# Altium PCB PCB_TEST.PcbDoc (part 1 of 6) (continued)
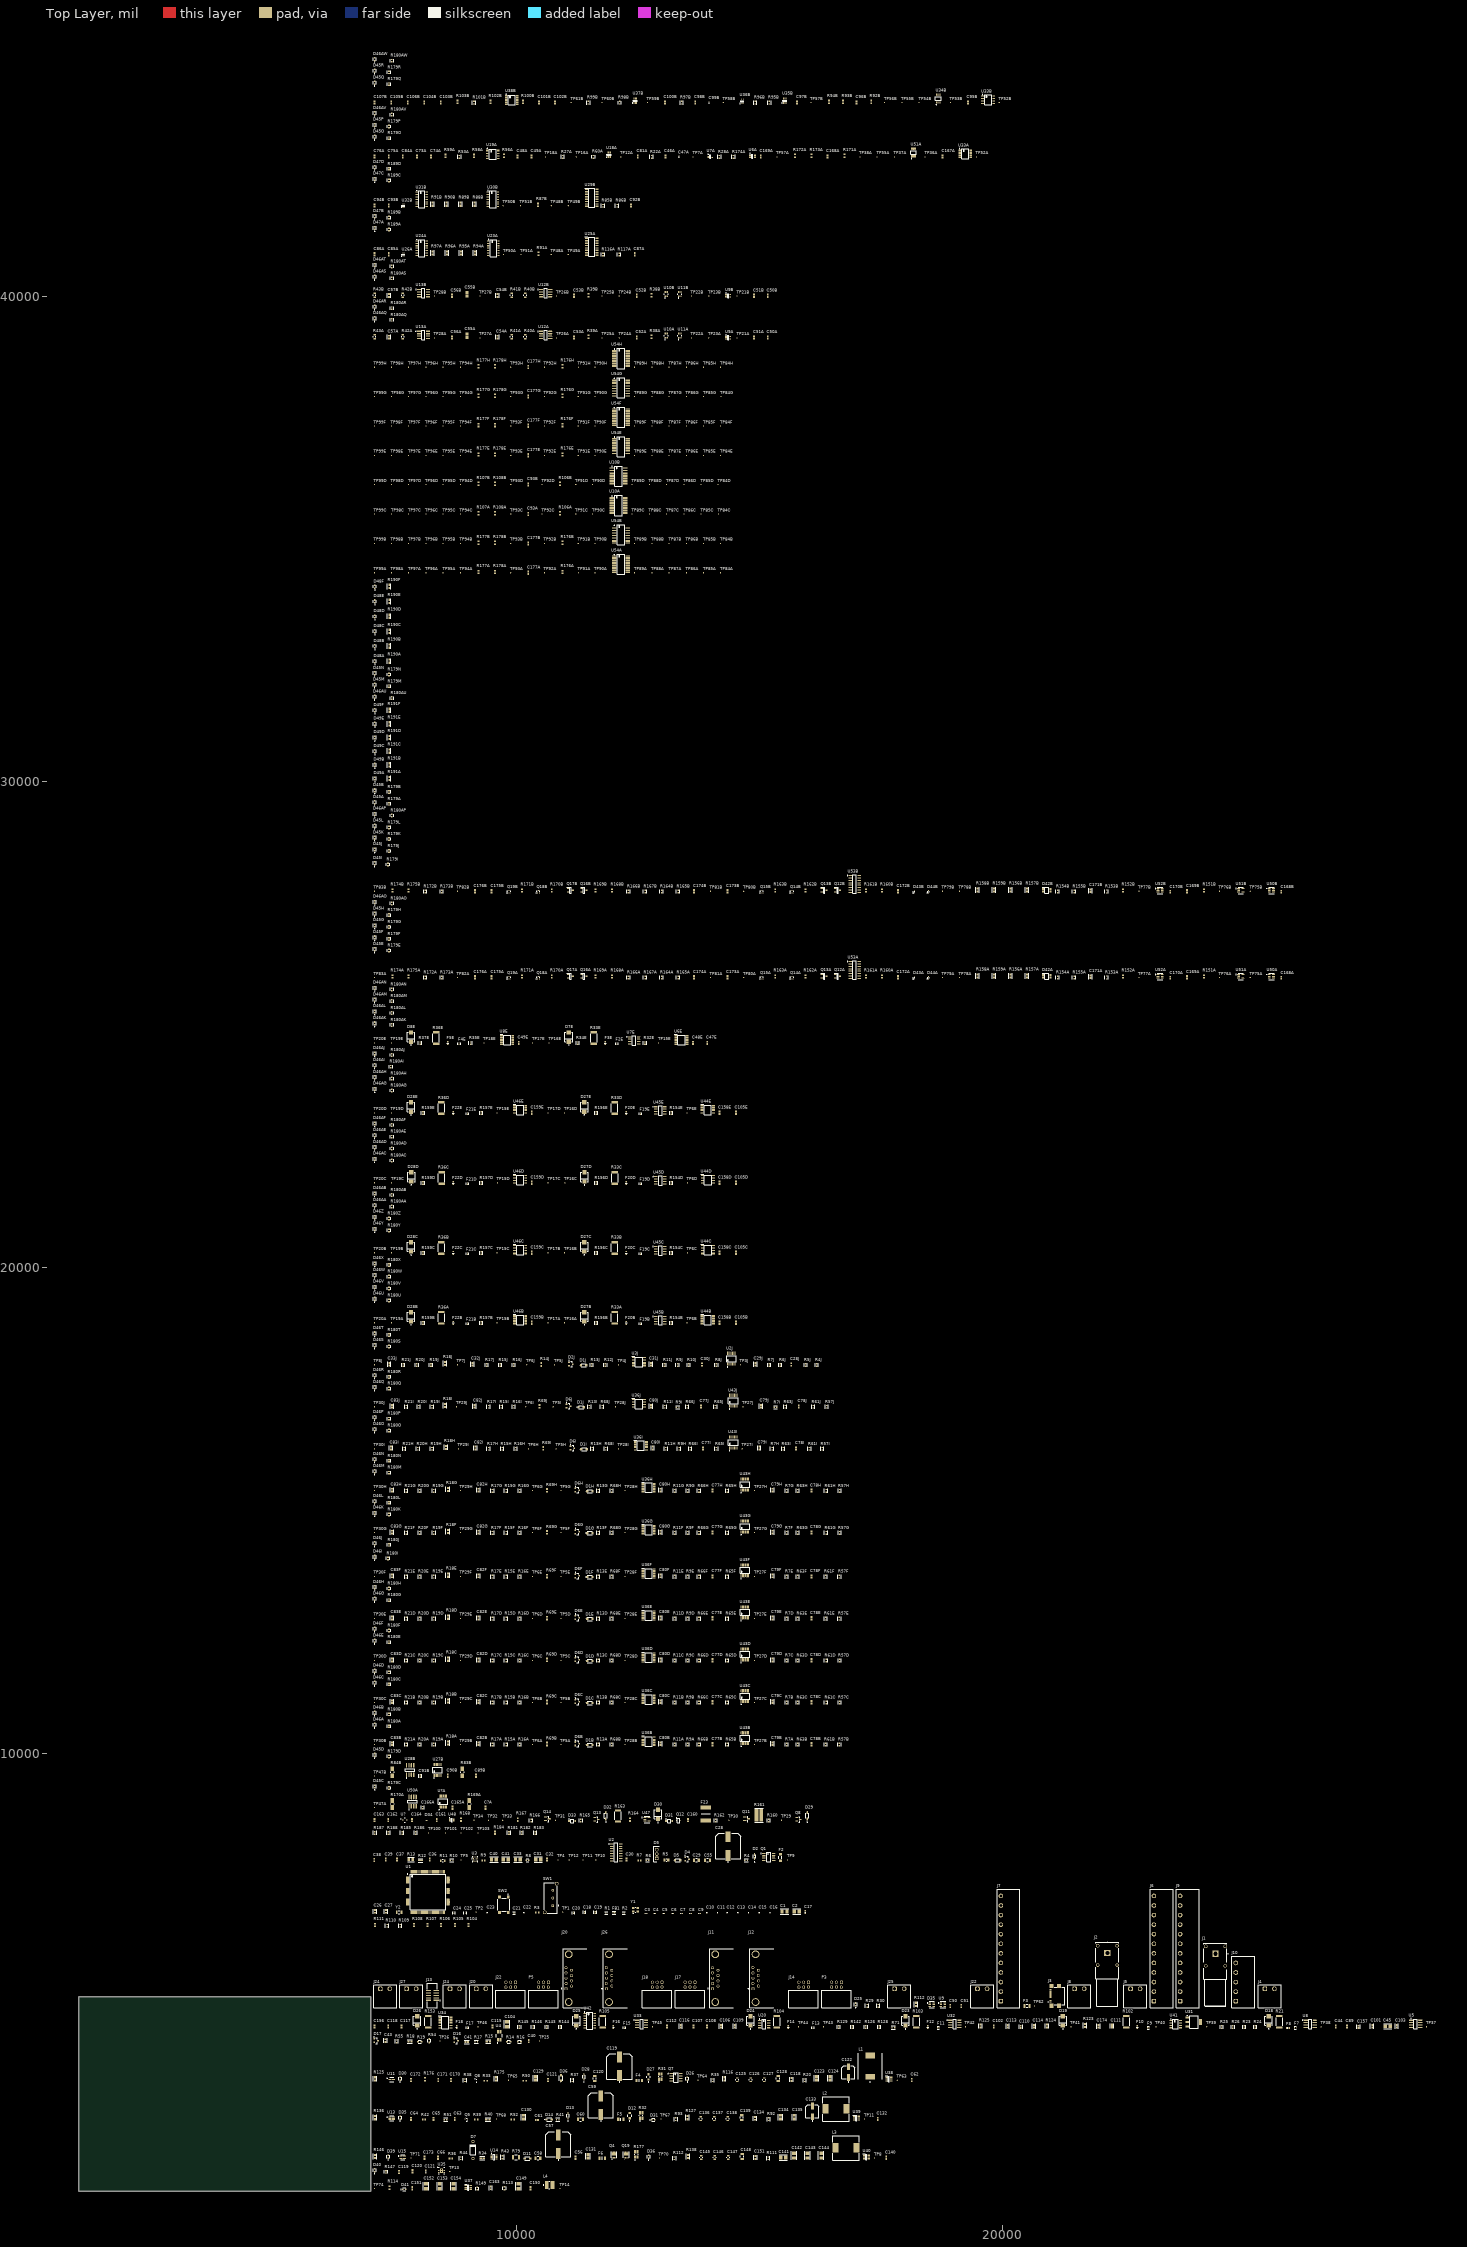
[diagram p0: Top Layer view]
## Components (designator, comment, footprint, x,y, rotation, side; value= is the part's Value field where it differs from the comment)
C1 "GCJ31CC71E106KA15K" FP-GCJ31C-0_4-IPC_B 15520,6750 r0 top value=10µF
C2 "GCJ31CC71E106KA15K" FP-GCJ31C-0_4-IPC_B 15770,6750 r0 top value=10µF
C3 "Capacitor 100nF +/-20% 10V 0402" CAPC0402(1005)60_L 12670,6710 r0 top value=100nF
C4 "Capacitor 100nF +/-20% 10V 0402" CAPC0402(1005)60_L 12850,6710 r0 top value=100nF
C5 "Capacitor 100nF +/-20% 10V 0402" CAPC0402(1005)60_L 13035,6710 r0 top value=100nF
C6 "Capacitor 100nF +/-20% 10V 0402" CAPC0402(1005)60_L 13220,6710 r0 top value=100nF
C7 "Capacitor 100nF +/-20% 10V 0402" CAPC0402(1005)60_L 13400,6710 r0 top value=100nF
C8 "Capacitor 100nF +/-20% 10V 0402" CAPC0402(1005)60_L 13585,6710 r0 top value=100nF
C9 "Capacitor 100nF +/-20% 10V 0402" CAPC0402(1005)60_L 13770,6710 r0 top value=100nF
C10 "Capacitor 100nF +/-20% 10V 0402" CAPC0402(1005)60_L 13920,6740 r90 top value=100nF
C11 "Capacitor 100nF +/-20% 10V 0402" CAPC0402(1005)60_L 14140,6740 r90 top value=100nF
C12 "Capacitor 100nF +/-20% 10V 0402" CAPC0402(1005)60_L 14340,6740 r90 top value=100nF
C13 "Capacitor 100nF +/-20% 10V 0402" CAPC0402(1005)60_L 14560,6740 r90 top value=100nF
C14 "Capacitor 100nF +/-20% 10V 0402" CAPC0402(1005)60_L 14780,6740 r90 top value=100nF
C15 "Capacitor 100nF +/-20% 10V 0402" CAPC0402(1005)60_L 15000,6740 r90 top value=100nF
C16 "Capacitor 100nF +/-20% 10V 0402" CAPC0402(1005)60_L 15220,6740 r90 top value=100nF
C17 "Capacitor 4.7µF +/-20% 10V 0603" CAPC0603(1608)100_L 15945,6740 r90 top value=4.7µF
C18 "GJM1555C1H140GB01D" FP-GJM155-0_05-IPC_A 11405,6735 r90 top value=14pF
C19 "GJM1555C1H140GB01D" FP-GJM155-0_05-IPC_A 11625,6735 r90 top value=14pF
C20 "0402YD105MAT2A" FP-0402-L_1_0_1-W_0_5_0_1-IPC_C 11175,6725 r90 top value=1µF
C21 "0402YD105MAT2A" FP-0402-L_1_0_1-W_0_5_0_1-IPC_C 9955,6725 r0 top value=1µF
C22 "Capacitor 10nF +/-20% 50V 0402" CAPC0402(1005)60_L 10155,6740 r90 top value=10nF
C23 "Capacitor 100nF +/-20% 10V 0402" CAPC0402(1005)60_L 9400,6740 r90 top value=100nF
C24 "CC0402MRX5R7BB225" FP-CC0402-IPC_C 8720,6725 r90 top value=2.2µF
C25 "CC0402MRX5R7BB225" FP-CC0402-IPC_C 8950,6725 r90 top value=2.2µF
C26 "C0603C209D4GACTU" FP-C0603C-CF-IPC_B 7090,6755 r90 top value=2pF
C27 "C0603C209D4GACTU" FP-C0603C-CF-IPC_B 7320,6755 r90 top value=2pF
C28 "EMVY101ARA101MKE0S" FP-MVYAKE0-MFG 14360,8100 r90 top value=100µF (schematic designator C35)
C28J "Capacitor 100 nF +/-10% 50 V 0603" CAPC1608X90X40NL10T20 15660,18010 r90 top value=100nF (schematic designator C28)
C29 "GRM31C5C2A104JA01L" FP-GRM31C-0_2-e0_3_0_8-IPC_C 13705,7810 r0 top value=100nF (schematic designator C36)
C29J "C0603C102K4RAC7411" FP-C0603C-CF-IPC_B 14920,18015 r90 top value=1nF (schematic designator C29)
C30 "Capacitor 100 nF +/-10% 50 V 0603" CAPC1608X90X40NL10T20 12270,7820 r90 top value=100nF (schematic designator C37)
C30J "Capacitor 100 nF +/-10% 50 V 0603" CAPC1608X90X40NL10T20 13820,18010 r90 top value=100nF (schematic designator C30)
C31 "GCJ31CC71E106KA15K" FP-GCJ31C-0_4-IPC_B 10450,7825 r0 top value=10µF (schematic designator C38)
C31J "C0603C102K4RAC7411" FP-C0603C-CF-IPC_B 12770,18015 r90 top value=1nF (schematic designator C31)
C32 "Capacitor 100 nF +/-10% 50 V 0603" CAPC1608X90X40NL10T20 10630,7820 r90 top value=100nF (schematic designator C39)
C32J "C0603C102K4RAC7411" FP-C0603C-CF-IPC_B 9100,18015 r90 top value=1nF (schematic designator C32)
C33 "GCJ31CC71E106KA15K" FP-GCJ31C-0_4-IPC_B 10035,7825 r0 top value=10µF (schematic designator C42)
C33J "C0603C102K4RAC7411" FP-C0603C-CF-IPC_B 7385,18015 r90 top value=1nF (schematic designator C33)
C36 "Capacitor 100 nF +/-10% 50 V 0603" CAPC1608X90X40NL10T20 8220,7820 r90 top value=100nF (schematic designator C43)
C37 "Capacitor 100 nF +/-10% 50 V 0603" CAPC1608X90X40NL10T20 7545,7820 r90 top value=100nF (schematic designator C44)
C38 "C0603C105M3PACTU" CAPC1608X90X35LL15T15 7075,7810 r90 top value=1µF (schematic designator C45)
C39 "Capacitor 100 nF +/-10% 50 V 0603" CAPC1608X90X40NL10T20 7315,7820 r90 top value=100nF (schematic designator C46)
C40 "GCJ31CC71E106KA15K" FP-GCJ31C-0_4-IPC_B 9540,7825 r0 top value=10µF
C40 "Capacitor 100 nF +/-10% 50 V 0603" CAPC1608X90X40NL10T20 10255,4085 r90 top value=100nF (schematic designator C63)
C41 "C0603C103K8RAC" FP-C0603C-CF-IPC_B 8980,4070 r0 top value=10nF (schematic designator C64)
C41 "GCJ31CC71E106KA15K" FP-GCJ31C-0_4-IPC_B 9785,7825 r0 top value=10µF
C43 "C0603C103K8RAC" FP-C0603C-CF-IPC_B 7310,4095 r90 top value=10nF (schematic designator C65)
C44 "Capacitor 100 nF +/-10% 50 V 0603" CAPC1608X90X40NL10T20 26865,4385 r90 top value=100nF (schematic designator C70)
C45 "GCJ31CC71E106KA15K" FP-GCJ31C-0_4-IPC_B 27935,4390 r0 top value=10µF (schematic designator C68)
C46A "Capacitor 100 nF +/-10% 50 V 0603" CAPC1608X90X40NL10T20 13070,42870 r90 top value=100nF (schematic designator C98)
C47A "Capacitor 100nF +/-20% 10V 0402" CAPC0402(1005)60_L 13345,42865 r90 top value=100nF (schematic designator C99)
C47E "Capacitor 100 nF +/-10% 50 V 0603" CAPC1608X90X40NL10T20 13930,24630 r90 top value=100nF (schematic designator C47)
C48A "Capacitor 100 nF +/-10% 50 V 0603" CAPC1608X90X40NL10T20 10025,42870 r90 top value=100nF (schematic designator C101)
C48E "Capacitor 100 nF +/-10% 50 V 0603" CAPC1608X90X40NL10T20 13640,24630 r90 top value=100nF (schematic designator C48)
C49A "Capacitor 100 nF +/-10% 50 V 0603" CAPC1608X90X40NL10T20 10315,42870 r90 top value=100nF (schematic designator C102)
C49E "Capacitor 100 nF +/-10% 50 V 0603" CAPC1608X90X40NL10T20 10050,24630 r90 top value=100nF (schematic designator C49)
C50 "C0603C105M3PACTU" CAPC1608X90X35LL15T15 18930,4810 r90 top value=1µF (schematic designator C108)
C50A "Capacitor 100 nF +/-10% 50 V 0603" CAPC1608X90X40NL10T20 15175,39145 r90 top value=100nF (schematic designator C50)
C50B "Capacitor 100 nF +/-10% 50 V 0603" CAPC1608X90X40NL10T20 15175,40005 r90 top value=100nF (schematic designator C50)
C51 "0603YG105ZAT4A" CAPC1608X90X35LL15T15 19160,4810 r90 top value=1µF (schematic designator C109)
C51A "Capacitor 100 nF +/-10% 50 V 0603" CAPC1608X90X40NL10T20 14895,39145 r90 top value=100nF (schematic designator C51)
C51B "Capacitor 100 nF +/-10% 50 V 0603" CAPC1608X90X40NL10T20 14895,40005 r90 top value=100nF (schematic designator C51)
C52A "Capacitor 100 nF +/-10% 50 V 0603" CAPC1608X90X40NL10T20 12480,39145 r90 top value=100nF (schematic designator C52)
C52B "Capacitor 100 nF +/-10% 50 V 0603" CAPC1608X90X40NL10T20 12480,40005 r90 top value=100nF (schematic designator C52)
C53A "Capacitor 100 nF +/-10% 50 V 0603" CAPC1608X90X40NL10T20 11190,39145 r90 top value=100nF (schematic designator C53)
C53B "Capacitor 100 nF +/-10% 50 V 0603" CAPC1608X90X40NL10T20 11190,40005 r90 top value=100nF (schematic designator C53)
C54A "C0603C102K4RAC7411" FP-C0603C-CF-IPC_B 9615,39155 r90 top value=1nF (schematic designator C54)
C54B "C0603C102K4RAC7411" FP-C0603C-CF-IPC_B 9615,40010 r90 top value=1nF (schematic designator C54)
C55 "GRM31C5C2A104JA01L" FP-GRM31C-0_2-e0_3_0_8-IPC_C 13935,7810 r0 top value=100nF (schematic designator C34)
C55A "TAJR225M010RNJ" CAPC2113X120X50ML20T30 8985,39180 r90 top value=2.2µF (schematic designator C55)
C55B "TAJR225M010RNJ" CAPC2113X120X50ML20T30 8985,40035 r90 top value=2.2µF (schematic designator C55)
C56 "Capacitor 100 nF +/-10% 50 V 0603" CAPC1608X90X40NL10T20 11220,1685 r90 top value=100nF (schematic designator C153)
C56A "Capacitor 100 nF +/-10% 50 V 0603" CAPC1608X90X40NL10T20 8675,39145 r90 top value=100nF (schematic designator C56)
C56B "Capacitor 100 nF +/-10% 50 V 0603" CAPC1608X90X40NL10T20 8675,40005 r90 top value=100nF (schematic designator C56)
C57 "EMVY101ARA101MKE0S" FP-MVYAKE0-MFG 10865,1965 r90 top value=100µF (schematic designator C154)
C57A "C0603C102K4RAC7411" FP-C0603C-CF-IPC_B 7380,39155 r90 top value=1nF (schematic designator C57)
C57B "C0603C102K4RAC7411" FP-C0603C-CF-IPC_B 7380,40010 r90 top value=1nF (schematic designator C57)
C58 "GRM31C5C2A104JA01L" FP-GRM31C-0_2-e0_3_0_8-IPC_C 10445,1675 r0 top value=100nF (schematic designator C155)
C59 "EMVY101ARA101MKE0S" FP-MVYAKE0-MFG 11740,2765 r90 top value=100µF (schematic designator C135)
C60 "GRM31C5C2A104JA01L" FP-GRM31C-0_2-e0_3_0_8-IPC_C 11320,2475 r0 top value=100nF (schematic designator C136)
C61 "Capacitor 100 nF +/-10% 50 V 0603" CAPC1608X90X40NL10T20 10425,2460 r0 top value=100nF (schematic designator C137)
C62 "Capacitor 100 nF +/-10% 50 V 0603" CAPC1608X90X40NL10T20 18140,3285 r90 top value=100nF (schematic designator C110)
C63 "Capacitor 100 nF +/-10% 50 V 0603" CAPC1608X90X40NL10T20 8735,2485 r90 top value=100nF (schematic designator C139)
C64 "Capacitor 100 nF +/-10% 50 V 0603" CAPC1608X90X40NL10T20 7835,2485 r90 top value=100nF (schematic designator C141)
C65 "Capacitor 100 nF +/-10% 50 V 0603" CAPC1608X90X40NL10T20 8295,2485 r90 top value=100nF (schematic designator C140)
C66 "Capacitor 100 nF +/-10% 50 V 0603" CAPC1608X90X40NL10T20 8390,1685 r90 top value=100nF (schematic designator C156)
C73A "Capacitor 100 nF +/-10% 50 V 0603" CAPC1608X90X40NL10T20 7955,42870 r90 top value=100nF (schematic designator C104)
C74A "Capacitor 100 nF +/-10% 50 V 0603" CAPC1608X90X40NL10T20 8245,42870 r90 top value=100nF (schematic designator C103)
C75A "Capacitor 100 nF +/-10% 50 V 0603" CAPC1608X90X40NL10T20 7375,42870 r90 top value=100nF (schematic designator C105)
C76A "Capacitor 100 nF +/-10% 50 V 0603" CAPC1608X90X40NL10T20 7085,42870 r90 top value=100nF (schematic designator C107)
C77B "Capacitor 100 nF +/-10% 50 V 0603" CAPC1608X90X40NL10T20 14040,10195 r90 top value=100nF (schematic designator C30)
C77C "Capacitor 100 nF +/-10% 50 V 0603" CAPC1608X90X40NL10T20 14040,11060 r90 top value=100nF (schematic designator C30)
C77D "Capacitor 100 nF +/-10% 50 V 0603" CAPC1608X90X40NL10T20 14040,11925 r90 top value=100nF (schematic designator C30)
C77E "Capacitor 100 nF +/-10% 50 V 0603" CAPC1608X90X40NL10T20 14040,12790 r90 top value=100nF (schematic designator C30)
C77F "Capacitor 100 nF +/-10% 50 V 0603" CAPC1608X90X40NL10T20 14040,13650 r90 top value=100nF (schematic designator C30)
C77G "Capacitor 100 nF +/-10% 50 V 0603" CAPC1608X90X40NL10T20 14040,14555 r90 top value=100nF (schematic designator C30)
C77H "Capacitor 100 nF +/-10% 50 V 0603" CAPC1608X90X40NL10T20 14040,15415 r90 top value=100nF (schematic designator C30)
C77I "Capacitor 100 nF +/-10% 50 V 0603" CAPC1608X90X40NL10T20 13840,16280 r90 top value=100nF (schematic designator C30)
C77J "Capacitor 100 nF +/-10% 50 V 0603" CAPC1608X90X40NL10T20 13800,17145 r90 top value=100nF (schematic designator C30)
C78B "Capacitor 100 nF +/-10% 50 V 0603" CAPC1608X90X40NL10T20 16075,10195 r90 top value=100nF (schematic designator C28)
C78C "Capacitor 100 nF +/-10% 50 V 0603" CAPC1608X90X40NL10T20 16075,11060 r90 top value=100nF (schematic designator C28)
C78D "Capacitor 100 nF +/-10% 50 V 0603" CAPC1608X90X40NL10T20 16075,11925 r90 top value=100nF (schematic designator C28)
C78E "Capacitor 100 nF +/-10% 50 V 0603" CAPC1608X90X40NL10T20 16075,12790 r90 top value=100nF (schematic designator C28)
C78F "Capacitor 100 nF +/-10% 50 V 0603" CAPC1608X90X40NL10T20 16075,13650 r90 top value=100nF (schematic designator C28)
C78G "Capacitor 100 nF +/-10% 50 V 0603" CAPC1608X90X40NL10T20 16075,14555 r90 top value=100nF (schematic designator C28)
C78H "Capacitor 100 nF +/-10% 50 V 0603" CAPC1608X90X40NL10T20 16075,15415 r90 top value=100nF (schematic designator C28)
C78I "Capacitor 100 nF +/-10% 50 V 0603" CAPC1608X90X40NL10T20 15760,16280 r90 top value=100nF (schematic designator C28)
C78J "Capacitor 100 nF +/-10% 50 V 0603" CAPC1608X90X40NL10T20 15815,17145 r90 top value=100nF (schematic designator C28)
C79B "C0603C102K4RAC7411" FP-C0603C-CF-IPC_B 15275,10205 r90 top value=1nF (schematic designator C29)
C79C "C0603C102K4RAC7411" FP-C0603C-CF-IPC_B 15275,11070 r90 top value=1nF (schematic designator C29)
C79D "C0603C102K4RAC7411" FP-C0603C-CF-IPC_B 15275,11930 r90 top value=1nF (schematic designator C29)
C79E "C0603C102K4RAC7411" FP-C0603C-CF-IPC_B 15275,12795 r90 top value=1nF (schematic designator C29)
C79F "C0603C102K4RAC7411" FP-C0603C-CF-IPC_B 15275,13660 r90 top value=1nF (schematic designator C29)
C79G "C0603C102K4RAC7411" FP-C0603C-CF-IPC_B 15275,14560 r90 top value=1nF (schematic designator C29)
C79H "C0603C102K4RAC7411" FP-C0603C-CF-IPC_B 15275,15425 r90 top value=1nF (schematic designator C29)
C79I "C0603C102K4RAC7411" FP-C0603C-CF-IPC_B 15000,16290 r90 top value=1nF (schematic designator C29)
C79J "C0603C102K4RAC7411" FP-C0603C-CF-IPC_B 15035,17150 r90 top value=1nF (schematic designator C29)
C80B "C0603C102K4RAC7411" FP-C0603C-CF-IPC_B 12970,10205 r90 top value=1nF (schematic designator C31)
C80C "C0603C102K4RAC7411" FP-C0603C-CF-IPC_B 12970,11070 r90 top value=1nF (schematic designator C31)
C80D "C0603C102K4RAC7411" FP-C0603C-CF-IPC_B 12970,11930 r90 top value=1nF (schematic designator C31)
C80E "C0603C102K4RAC7411" FP-C0603C-CF-IPC_B 12970,12795 r90 top value=1nF (schematic designator C31)
C80F "C0603C102K4RAC7411" FP-C0603C-CF-IPC_B 12970,13660 r90 top value=1nF (schematic designator C31)
C80G "C0603C102K4RAC7411" FP-C0603C-CF-IPC_B 12970,14560 r90 top value=1nF (schematic designator C31)
C80H "C0603C102K4RAC7411" FP-C0603C-CF-IPC_B 12970,15425 r90 top value=1nF (schematic designator C31)
C80I "C0603C102K4RAC7411" FP-C0603C-CF-IPC_B 12810,16290 r90 top value=1nF (schematic designator C31)
C80J "C0603C102K4RAC7411" FP-C0603C-CF-IPC_B 12770,17150 r90 top value=1nF (schematic designator C31)
C81A "Capacitor 100 nF +/-10% 50 V 0603" CAPC1608X90X40NL10T20 12500,42870 r90 top value=100nF (schematic designator C100)
C82B "C0603C102K4RAC7411" FP-C0603C-CF-IPC_B 9220,10205 r90 top value=1nF (schematic designator C32)
C82C "C0603C102K4RAC7411" FP-C0603C-CF-IPC_B 9220,11070 r90 top value=1nF (schematic designator C32)
C82D "C0603C102K4RAC7411" FP-C0603C-CF-IPC_B 9220,11930 r90 top value=1nF (schematic designator C32)
C82E "C0603C102K4RAC7411" FP-C0603C-CF-IPC_B 9220,12795 r90 top value=1nF (schematic designator C32)
C82F "C0603C102K4RAC7411" FP-C0603C-CF-IPC_B 9220,13660 r90 top value=1nF (schematic designator C32)
C82G "C0603C102K4RAC7411" FP-C0603C-CF-IPC_B 9220,14560 r90 top value=1nF (schematic designator C32)
C82H "C0603C102K4RAC7411" FP-C0603C-CF-IPC_B 9220,15425 r90 top value=1nF (schematic designator C32)
C82I "C0603C102K4RAC7411" FP-C0603C-CF-IPC_B 9160,16290 r90 top value=1nF (schematic designator C32)
C82J "C0603C102K4RAC7411" FP-C0603C-CF-IPC_B 9140,17150 r90 top value=1nF (schematic designator C32)
C83B "C0603C102K4RAC7411" FP-C0603C-CF-IPC_B 7445,10205 r90 top value=1nF (schematic designator C33)
C83C "C0603C102K4RAC7411" FP-C0603C-CF-IPC_B 7445,11070 r90 top value=1nF (schematic designator C33)
C83D "C0603C102K4RAC7411" FP-C0603C-CF-IPC_B 7445,11930 r90 top value=1nF (schematic designator C33)
C83E "C0603C102K4RAC7411" FP-C0603C-CF-IPC_B 7445,12795 r90 top value=1nF (schematic designator C33)
C83F "C0603C102K4RAC7411" FP-C0603C-CF-IPC_B 7445,13660 r90 top value=1nF (schematic designator C33)
C83G "C0603C102K4RAC7411" FP-C0603C-CF-IPC_B 7445,14560 r90 top value=1nF (schematic designator C33)
C83H "C0603C102K4RAC7411" FP-C0603C-CF-IPC_B 7445,15425 r90 top value=1nF (schematic designator C33)
C83I "C0603C102K4RAC7411" FP-C0603C-CF-IPC_B 7425,16290 r90 top value=1nF (schematic designator C33)
C83J "C0603C102K4RAC7411" FP-C0603C-CF-IPC_B 7445,17150 r90 top value=1nF (schematic designator C33)
C84A "Capacitor 100 nF +/-10% 50 V 0603" CAPC1608X90X40NL10T20 7665,42870 r90 top value=100nF (schematic designator C106)
C85A "Capacitor 100 nF +/-10% 50 V 0603" CAPC1608X90X40NL10T20 7375,40860 r90 top value=100nF (schematic designator C93)
C86A "Capacitor 100 nF +/-10% 50 V 0603" CAPC1608X90X40NL10T20 7085,40860 r90 top value=100nF (schematic designator C94)
C87A "Capacitor 100 nF +/-10% 50 V 0603" CAPC1608X90X40NL10T20 12440,40860 r90 top value=100nF (schematic designator C92)
C89 "Capacitor 100 nF +/-10% 50 V 0603" CAPC1608X90X40NL10T20 27095,4385 r90 top value=100nF (schematic designator C71)
C89B "Capacitor 100 nF +/-10% 50 V 0603" CAPC1608X90X40NL10T20 9170,9545 r90 top value=100nF (schematic designator C89)
C90B "Capacitor 100 nF +/-10% 50 V 0603" CAPC1608X90X40NL10T20 8590,9545 r90 top value=100nF (schematic designator C90)
C91B "4.7nf" FP-C0603C-CF-MFG 8025,9540 r90 top value="4,700 pF" (schematic designator C91)
C92B "Capacitor 100 nF +/-10% 50 V 0603" CAPC1608X90X40NL10T20 12360,41865 r90 top value=100nF (schematic designator C92)
C93A "Capacitor 100 nF +/-10% 50 V 0603" CAPC1608X90X40NL10T20 10245,35515 r90 top value=100nF (schematic designator C177)
C93B "Capacitor 100 nF +/-10% 50 V 0603" CAPC1608X90X40NL10T20 7375,41865 r90 top value=100nF (schematic designator C93)
C93B "Capacitor 100 nF +/-10% 50 V 0603" CAPC1608X90X40NL10T20 10245,36120 r90 top value=100nF (schematic designator C177)
C94B "Capacitor 100 nF +/-10% 50 V 0603" CAPC1608X90X40NL10T20 7085,41865 r90 top value=100nF (schematic designator C94)
C95B "Capacitor 100 nF +/-10% 50 V 0603" CAPC1608X90X40NL10T20 19295,43985 r90 top value=100nF (schematic designator C95)
C96B "Capacitor 100 nF +/-10% 50 V 0603" CAPC1608X90X40NL10T20 17005,43985 r90 top value=100nF (schematic designator C96)
C97B "Capacitor 100 nF +/-10% 50 V 0603" CAPC1608X90X40NL10T20 15780,43985 r90 top value=100nF (schematic designator C97)
C98B "Capacitor 100 nF +/-10% 50 V 0603" CAPC1608X90X40NL10T20 13685,43985 r90 top value=100nF (schematic designator C98)
C99B "Capacitor 100nF +/-20% 10V 0402" CAPC0402(1005)60_L 13965,43980 r90 top value=100nF (schematic designator C99)
C100B "Capacitor 100 nF +/-10% 50 V 0603" CAPC1608X90X40NL10T20 13060,43985 r90 top value=100nF (schematic designator C100)
C101 "C0603C103J5RAC" FP-C0603C-CF-IPC_B 27615,4390 r90 top value=10nF (schematic designator C67)
C101B "Capacitor 100 nF +/-10% 50 V 0603" CAPC1608X90X40NL10T20 10465,43985 r90 top value=100nF (schematic designator C101)
C102 "Capacitor 100 nF +/-10% 50 V 0603" CAPC1608X90X40NL10T20 19825,4385 r90 top value=100nF (schematic designator C77)
C102B "Capacitor 100 nF +/-10% 50 V 0603" CAPC1608X90X40NL10T20 10795,43985 r90 top value=100nF (schematic designator C102)
C103 "CC0603KRX7R9BB105" FP-CC0603-DB-IPC_B 28120,4390 r90 top value=1µF (schematic designator C69)
C103B "Capacitor 100 nF +/-10% 50 V 0603" CAPC1608X90X40NL10T20 8445,43985 r90 top value=100nF (schematic designator C103)
C104 "GCJ31CC71E106KA15K" FP-GCJ31C-0_4-IPC_B 9810,4430 r90 top value=10µF (schematic designator C84)
C104B "Capacitor 100 nF +/-10% 50 V 0603" CAPC1608X90X40NL10T20 8105,43985 r90 top value=100nF (schematic designator C104)
C105B "Capacitor 100 nF +/-10% 50 V 0603" CAPC1608X90X40NL10T20 7425,43985 r90 top value=100nF (schematic designator C105)
C105B "Capacitor 100 nF +/-10% 50 V 0603" CAPC1608X90X40NL10T20 14520,18870 r90 top value=100nF (schematic designator C47)
C105C "Capacitor 100 nF +/-10% 50 V 0603" CAPC1608X90X40NL10T20 14520,20310 r90 top value=100nF (schematic designator C47)
C105D "Capacitor 100 nF +/-10% 50 V 0603" CAPC1608X90X40NL10T20 14520,21750 r90 top value=100nF (schematic designator C47)
C105E "Capacitor 100 nF +/-10% 50 V 0603" CAPC1608X90X40NL10T20 14520,23190 r90 top value=100nF (schematic designator C47)
C106 "CC0603KRX7R9BB105" FP-CC0603-DB-IPC_B 14215,4390 r90 top value=1µF (schematic designator C78)
C106B "Capacitor 100 nF +/-10% 50 V 0603" CAPC1608X90X40NL10T20 7765,43985 r90 top value=100nF (schematic designator C106)
C107 "Capacitor 100 nF +/-10% 50 V 0603" CAPC1608X90X40NL10T20 13645,4385 r90 top value=100nF (schematic designator C80)
C107B "Capacitor 100 nF +/-10% 50 V 0603" CAPC1608X90X40NL10T20 7085,43985 r90 top value=100nF (schematic designator C107)
C108 "Capacitor 100 nF +/-10% 50 V 0603" CAPC1608X90X40NL10T20 13925,4385 r90 top value=100nF (schematic designator C81)
C109 "CC0603KRX7R9BB105" FP-CC0603-DB-IPC_B 14495,4390 r90 top value=1µF (schematic designator C79)
C110 "GRM188R6YA106MA73D" FP-GRM188-0_2-IPC_C 20385,4380 r90 top value=10µF (schematic designator C74)
C111 "CC0603KRX5R9BB225" FP-CC0603-DC-IPC_B 22260,4395 r90 top value=2.2µF (schematic designator C73)
C112 "Capacitor 100 nF +/-10% 50 V 0603" CAPC1608X90X40NL10T20 13105,4385 r90 top value=100nF (schematic designator C83)
C113 "CC0603KRX7R9BB105" FP-CC0603-DB-IPC_B 20115,4390 r90 top value=1µF (schematic designator C76)
C114 "CC0603KRX7R9BB105" FP-CC0603-DB-IPC_B 20655,4390 r90 top value=1µF (schematic designator C75)
C115 "Capacitor 100 nF +/-10% 50 V 0603" CAPC1608X90X40NL10T20 9510,4385 r90 top value=100nF (schematic designator C85)
C116 "CC0603KRX7R9BB105" FP-CC0603-DB-IPC_B 13385,4390 r90 top value=1µF (schematic designator C82)
C117 "Capacitor 100 nF +/-10% 50 V 0603" CAPC1608X90X40NL10T20 7635,4385 r90 top value=100nF (schematic designator C86)
C118 "Capacitor 100 nF +/-10% 50 V 0603" CAPC1608X90X40NL10T20 7365,4385 r90 top value=100nF (schematic designator C87)
C118 "C0603C101F5HACTU" FP-C0603C-CF-IPC_B 15665,3295 r90 top value=100pF
C119 "EMVY101ARA101MKE0S" FP-MVYAKE0-MFG 12125,3565 r90 top value=100µF
C119 "C0603C105M3PACTU" CAPC1608X90X35LL15T15 7585,1395 r90 top value=1µF (schematic designator C158)
C120 "GRM31C5C2A104JA01L" FP-GRM31C-0_2-e0_3_0_8-IPC_C 11615,3315 r90 top value=100nF
C120 "Capacitor 100 nF +/-10% 50 V 0603" CAPC1608X90X40NL10T20 7865,1405 r90 top value=100nF (schematic designator C159)
C121 "Capacitor 4.7µF +/-20% 10V 0603" CAPC0603(1608)100_L 8135,1400 r90 top value=4.7µF (schematic designator C160)
C121 "Capacitor 100 nF +/-10% 50 V 0603" CAPC1608X90X40NL10T20 10650,3285 r90 top value=100nF
C122 "50SVPF10M" FP-OS-CON-SMT-C6-MFG 16835,3445 r90 top value=10µF (schematic designator C111)
C123 "GRM21BR61H475ME51L" FP-GRM21B-0_15-IPC_A 16180,3320 r90 top value=4.7µF (schematic designator C112)
C124 "GRM21BR61H475ME51L" FP-GRM21B-0_15-IPC_A 16460,3320 r90 top value=4.7µF (schematic designator C113)
C125 "GRM21BC72A105KE01K" FP-GRM21B-0_2-e0_2_0_7-MFG 14545,3290 r90 top value=1µF (schematic designator C114)
C126 "GRM21BC72A105KE01K" FP-GRM21B-0_2-e0_2_0_7-MFG 14825,3290 r90 top value=1µF (schematic designator C115)
C127 "GRM21BC72A105KE01K" FP-GRM21B-0_2-e0_2_0_7-MFG 15105,3290 r90 top value=1µF (schematic designator C116)
C128 "GRM31C5C2A104JA01L" FP-GRM31C-0_2-e0_3_0_8-IPC_C 15390,3315 r90 top value=100nF (schematic designator C117)
C129 "GRM21BR61H475ME51L" FP-GRM21B-0_15-IPC_A 10395,3320 r90 top value=4.7µF (schematic designator C122)
C130 "GRM21BR61H475ME51L" FP-GRM21B-0_15-IPC_A 10145,2520 r90 top value=4.7µF (schematic designator C138)
C131 "GRM21BR61H475ME51L" FP-GRM21B-0_15-IPC_A 11475,1715 r90 top value=4.7µF (schematic designator C152)
C132 "Capacitor 100 nF +/-10% 50 V 0603" CAPC1608X90X40NL10T20 17440,2485 r90 top value=100nF (schematic designator C126)
C133 "50SVPF10M" FP-OS-CON-SMT-C6-MFG 16095,2640 r90 top value=10µF (schematic designator C127)
C134 "C0603C101F5HACTU" FP-C0603C-CF-IPC_B 14915,2495 r90 top value=100pF
C134 "GRM21BR61H475ME51L" FP-GRM21B-0_15-IPC_A 15440,2520 r90 top value=4.7µF (schematic designator C128)
C135 "GRM21BR61H475ME51L" FP-GRM21B-0_15-IPC_A 15720,2520 r90 top value=4.7µF (schematic designator C129)
C136 "GRM21BC72A105KE01K" FP-GRM21B-0_2-e0_2_0_7-MFG 13795,2490 r90 top value=1µF (schematic designator C130)
C137 "GRM21BC72A105KE01K" FP-GRM21B-0_2-e0_2_0_7-MFG 14075,2490 r90 top value=1µF (schematic designator C131)
C138 "GRM21BC72A105KE01K" FP-GRM21B-0_2-e0_2_0_7-MFG 14355,2490 r90 top value=1µF (schematic designator C132)
C139 "GRM31C5C2A104JA01L" FP-GRM31C-0_2-e0_3_0_8-IPC_C 14640,2510 r90 top value=100nF (schematic designator C133)
C140 "Capacitor 100 nF +/-10% 50 V 0603" CAPC1608X90X40NL10T20 17615,1685 r90 top value=100nF (schematic designator C142)
C141 "GCJ31CC71E106KA15K" FP-GCJ31C-0_4-IPC_B 15495,1690 r0 top value=10µF (schematic designator C143)
C142 "GCJ31CC71E106KA15K" FP-GCJ31C-0_4-IPC_B 15715,1730 r90 top value=10µF (schematic designator C144)
C143 "GCJ31CC71E106KA15K" FP-GCJ31C-0_4-IPC_B 15995,1730 r90 top value=10µF (schematic designator C145)
C144 "GCJ31CC71E106KA15K" FP-GCJ31C-0_4-IPC_B 16275,1730 r90 top value=10µF (schematic designator C146)
C145 "GRM21BC72A105KE01K" FP-GRM21B-0_2-e0_2_0_7-MFG 13805,1690 r90 top value=1µF (schematic designator C147)
C146 "GRM21BC72A105KE01K" FP-GRM21B-0_2-e0_2_0_7-MFG 14085,1690 r90 top value=1µF (schematic designator C148)
C147 "GRM21BC72A105KE01K" FP-GRM21B-0_2-e0_2_0_7-MFG 14365,1690 r90 top value=1µF (schematic designator C149)
C148 "GRM31C5C2A104JA01L" FP-GRM31C-0_2-e0_3_0_8-IPC_C 14650,1710 r90 top value=100nF (schematic designator C150)
C149 "GCJ31CC71E106KA15K" FP-GCJ31C-0_4-IPC_B 10045,1100 r90 top value=10µF (schematic designator C161)
C150 "Capacitor 100 nF +/-10% 50 V 0603" CAPC1608X90X40NL10T20 10295,1055 r90 top value=100nF (schematic designator C162)
C151 "C0603C101F5HACTU" FP-C0603C-CF-IPC_B 14925,1690 r90 top value=100pF
C151 "Capacitor 100 nF +/-10% 50 V 0603" CAPC1608X90X40NL10T20 7860,1055 r90 top value=100nF (schematic designator C167)
C152 "GCJ31CC71E106KA15K" FP-GCJ31C-0_4-IPC_B 8145,1100 r90 top value=10µF (schematic designator C164)
C153 "GCJ31CC71E106KA15K" FP-GCJ31C-0_4-IPC_B 8425,1100 r90 top value=10µF (schematic designator C165)
C154 "GCJ31CC71E106KA15K" FP-GCJ31C-0_4-IPC_B 8705,1100 r90 top value=10µF (schematic designator C166)
C156 "Capacitor 100 nF +/-10% 50 V 0603" CAPC1608X90X40NL10T20 7085,4385 r90 top value=100nF (schematic designator C88)
C157 "GRM188R61E475KE15D" FP-GRM188-0_2-IPC_C 27335,4380 r90 top value=4.7µF (schematic designator C66)
C158B "Capacitor 100 nF +/-10% 50 V 0603" CAPC1608X90X40NL10T20 14180,18870 r90 top value=100nF (schematic designator C48)
C158C "Capacitor 100 nF +/-10% 50 V 0603" CAPC1608X90X40NL10T20 14180,20310 r90 top value=100nF (schematic designator C48)
C158D "Capacitor 100 nF +/-10% 50 V 0603" CAPC1608X90X40NL10T20 14180,21750 r90 top value=100nF (schematic designator C48)
C158E "Capacitor 100 nF +/-10% 50 V 0603" CAPC1608X90X40NL10T20 14180,23190 r90 top value=100nF (schematic designator C48)
C159B "Capacitor 100 nF +/-10% 50 V 0603" CAPC1608X90X40NL10T20 10320,18870 r90 top value=100nF (schematic designator C49)
C159C "Capacitor 100 nF +/-10% 50 V 0603" CAPC1608X90X40NL10T20 10320,20310 r90 top value=100nF (schematic designator C49)
C159D "Capacitor 100 nF +/-10% 50 V 0603" CAPC1608X90X40NL10T20 10320,21750 r90 top value=100nF (schematic designator C49)
C159E "Capacitor 100 nF +/-10% 50 V 0603" CAPC1608X90X40NL10T20 10320,23190 r90 top value=100nF (schematic designator C49)
C160 "Capacitor 100 nF +/-10% 50 V 0603" CAPC1608X90X40NL10T20 13535,8635 r90 top value=100nF (schematic designator C58)
C161 "Capacitor 100 nF +/-10% 50 V 0603" CAPC1608X90X40NL10T20 8365,8635 r90 top value=100nF (schematic designator C59)
C162 "Capacitor 100 nF +/-10% 50 V 0603" CAPC1608X90X40NL10T20 7365,8635 r90 top value=100nF (schematic designator C61)
C163 "Capacitor 100 nF +/-10% 50 V 0603" CAPC1608X90X40NL10T20 7085,8635 r90 top value=100nF (schematic designator C62)
C163 "C0603C101F5HACTU" FP-C0603C-CF-IPC_B 9475,1065 r90 top value=100pF
C164 "Capacitor 100 nF +/-10% 50 V 0603" CAPC1608X90X40NL10T20 7855,8635 r90 top value=100nF (schematic designator C60)
C165A "Capacitor 100 nF +/-10% 50 V 0603" CAPC1608X90X40NL10T20 8685,8890 r90 top value=100nF (schematic designator C90)
C166A "4.7nf" FP-C0603C-CF-MFG 8075,8890 r90 top value="4,700 pF" (schematic designator C91)
C167A "Capacitor 100 nF +/-10% 50 V 0603" CAPC1608X90X40NL10T20 18775,42870 r90 top value=100nF (schematic designator C95)
C168A "Capacitor 100 nF +/-10% 50 V 0603" CAPC1608X90X40NL10T20 16405,42870 r90 top value=100nF (schematic designator C96)
C168A "Capacitor 1 uF +/- 10% 25 V 0603" CAPC1608X90X40LL10T20 25745,25970 r90 top value=1µF (schematic designator C168)
C168B "Capacitor 1 uF +/- 10% 25 V 0603" CAPC1608X90X40LL10T20 25745,27740 r90 top value=1µF (schematic designator C168)
C169A "Capacitor 100 nF +/-10% 50 V 0603" CAPC1608X90X40NL10T20 23805,25980 r90 top value=100nF (schematic designator C169)
C169A "Capacitor 100 nF +/-10% 50 V 0603" CAPC1608X90X40NL10T20 15030,42870 r90 top value=100nF (schematic designator C97)
C169B "Capacitor 100 nF +/-10% 50 V 0603" CAPC1608X90X40NL10T20 23805,27750 r90 top value=100nF (schematic designator C169)
C170 "Capacitor 100 nF +/-10% 50 V 0603" CAPC1608X90X40NL10T20 8655,3285 r90 top value=100nF (schematic designator C123)
C170A "Capacitor 1 uF +/- 10% 25 V 0603" CAPC1608X90X40LL10T20 23460,25970 r90 top value=1µF (schematic designator C170)
C170B "Capacitor 1 uF +/- 10% 25 V 0603" CAPC1608X90X40LL10T20 23460,27740 r90 top value=1µF (schematic designator C170)
C171 "Capacitor 100 nF +/-10% 50 V 0603" CAPC1608X90X40NL10T20 8395,3285 r90 top value=100nF (schematic designator C124)
C171A "C0603C101F5HACTU" FP-C0603C-CF-IPC_B 21820,25990 r90 top value=100pF (schematic designator C171)
C171B "C0603C101F5HACTU" FP-C0603C-CF-IPC_B 21820,27760 r90 top value=100pF (schematic designator C171)
C172 "Capacitor 100 nF +/-10% 50 V 0603" CAPC1608X90X40NL10T20 7835,3285 r90 top value=100nF (schematic designator C125)
C172A "Capacitor 100 nF +/-10% 50 V 0603" CAPC1608X90X40NL10T20 17855,25980 r90 top value=100nF (schematic designator C172)
C172B "Capacitor 100 nF +/-10% 50 V 0603" CAPC1608X90X40NL10T20 17855,27750 r90 top value=100nF (schematic designator C172)
C173 "Capacitor 100 nF +/-10% 50 V 0603" CAPC1608X90X40NL10T20 8110,1685 r90 top value=100nF (schematic designator C157)
C173A "Capacitor 100 nF +/-10% 50 V 0603" CAPC1608X90X40NL10T20 14345,25980 r90 top value=100nF (schematic designator C173)
C173B "Capacitor 100 nF +/-10% 50 V 0603" CAPC1608X90X40NL10T20 14345,27750 r90 top value=100nF (schematic designator C173)
C174 "CC0603KRX7R9BB105" FP-CC0603-DB-IPC_B 21980,4390 r90 top value=1µF (schematic designator C72)
C174A "Capacitor 100 nF +/-10% 50 V 0603" CAPC1608X90X40NL10T20 13660,25980 r90 top value=100nF (schematic designator C174)
C174B "Capacitor 100 nF +/-10% 50 V 0603" CAPC1608X90X40NL10T20 13660,27750 r90 top value=100nF (schematic designator C174)
C175A "Capacitor 100 nF +/-10% 50 V 0603" CAPC1608X90X40NL10T20 9490,25980 r90 top value=100nF (schematic designator C175)
C175B "Capacitor 100 nF +/-10% 50 V 0603" CAPC1608X90X40NL10T20 9490,27750 r90 top value=100nF (schematic designator C175)
C176A "Capacitor 100 nF +/-10% 50 V 0603" CAPC1608X90X40NL10T20 9150,25980 r90 top value=100nF (schematic designator C176)
C176B "Capacitor 100 nF +/-10% 50 V 0603" CAPC1608X90X40NL10T20 9150,27750 r90 top value=100nF (schematic designator C176)
C177A "Capacitor 100 nF +/-10% 50 V 0603" CAPC1608X90X40NL10T20 10245,34305 r90 top value=100nF (schematic designator C177)
C177B "Capacitor 100 nF +/-10% 50 V 0603" CAPC1608X90X40NL10T20 10245,34910 r90 top value=100nF (schematic designator C177)
C177E "Capacitor 100 nF +/-10% 50 V 0603" CAPC1608X90X40NL10T20 10245,36725 r90 top value=100nF (schematic designator C177)
C177F "Capacitor 100 nF +/-10% 50 V 0603" CAPC1608X90X40NL10T20 10245,37330 r90 top value=100nF (schematic designator C177)
C177G "Capacitor 100 nF +/-10% 50 V 0603" CAPC1608X90X40NL10T20 10245,37935 r90 top value=100nF (schematic designator C177)
C177H "Capacitor 100 nF +/-10% 50 V 0603" CAPC1608X90X40NL10T20 10245,38540 r90 top value=100nF (schematic designator C177)
C?A "Capacitor 100 nF +/-10% 50 V 0603" CAPC1608X90X40NL10T20 9365,8890 r90 top value=100nF (schematic designator C89)
D1B "PTVS58VS1UR,115" SOD123W 11515,10180 r0 top (schematic designator D1)
D1C "PTVS58VS1UR,115" SOD123W 11515,11045 r0 top (schematic designator D1)
D1D "PTVS58VS1UR,115" SOD123W 11515,11910 r0 top (schematic designator D1)
D1E "PTVS58VS1UR,115" SOD123W 11515,12775 r0 top (schematic designator D1)
D1F "PTVS58VS1UR,115" SOD123W 11515,13635 r0 top (schematic designator D1)
D1G "PTVS58VS1UR,115" SOD123W 11515,14540 r0 top (schematic designator D1)
D1H "PTVS58VS1UR,115" SOD123W 11515,15400 r0 top (schematic designator D1)